# Altium PCB node24.PcbDoc (part 6 of 10)
Units mm, origin at the board's own origin, x right, y up, seen from the top; angles counter-clockwise.
Board outline 177.92 x 177.92 mm, 6 copper layers (L1 - Signal 1 (Top), L2 - Signal 2, L3 - Ground, L4 - Power, L5 - Signal 3, L6 - Signal 4 (Bot)), stack 1.511 mm thick; 721 components, 595 nets, 2782 pads, 2075 vias.
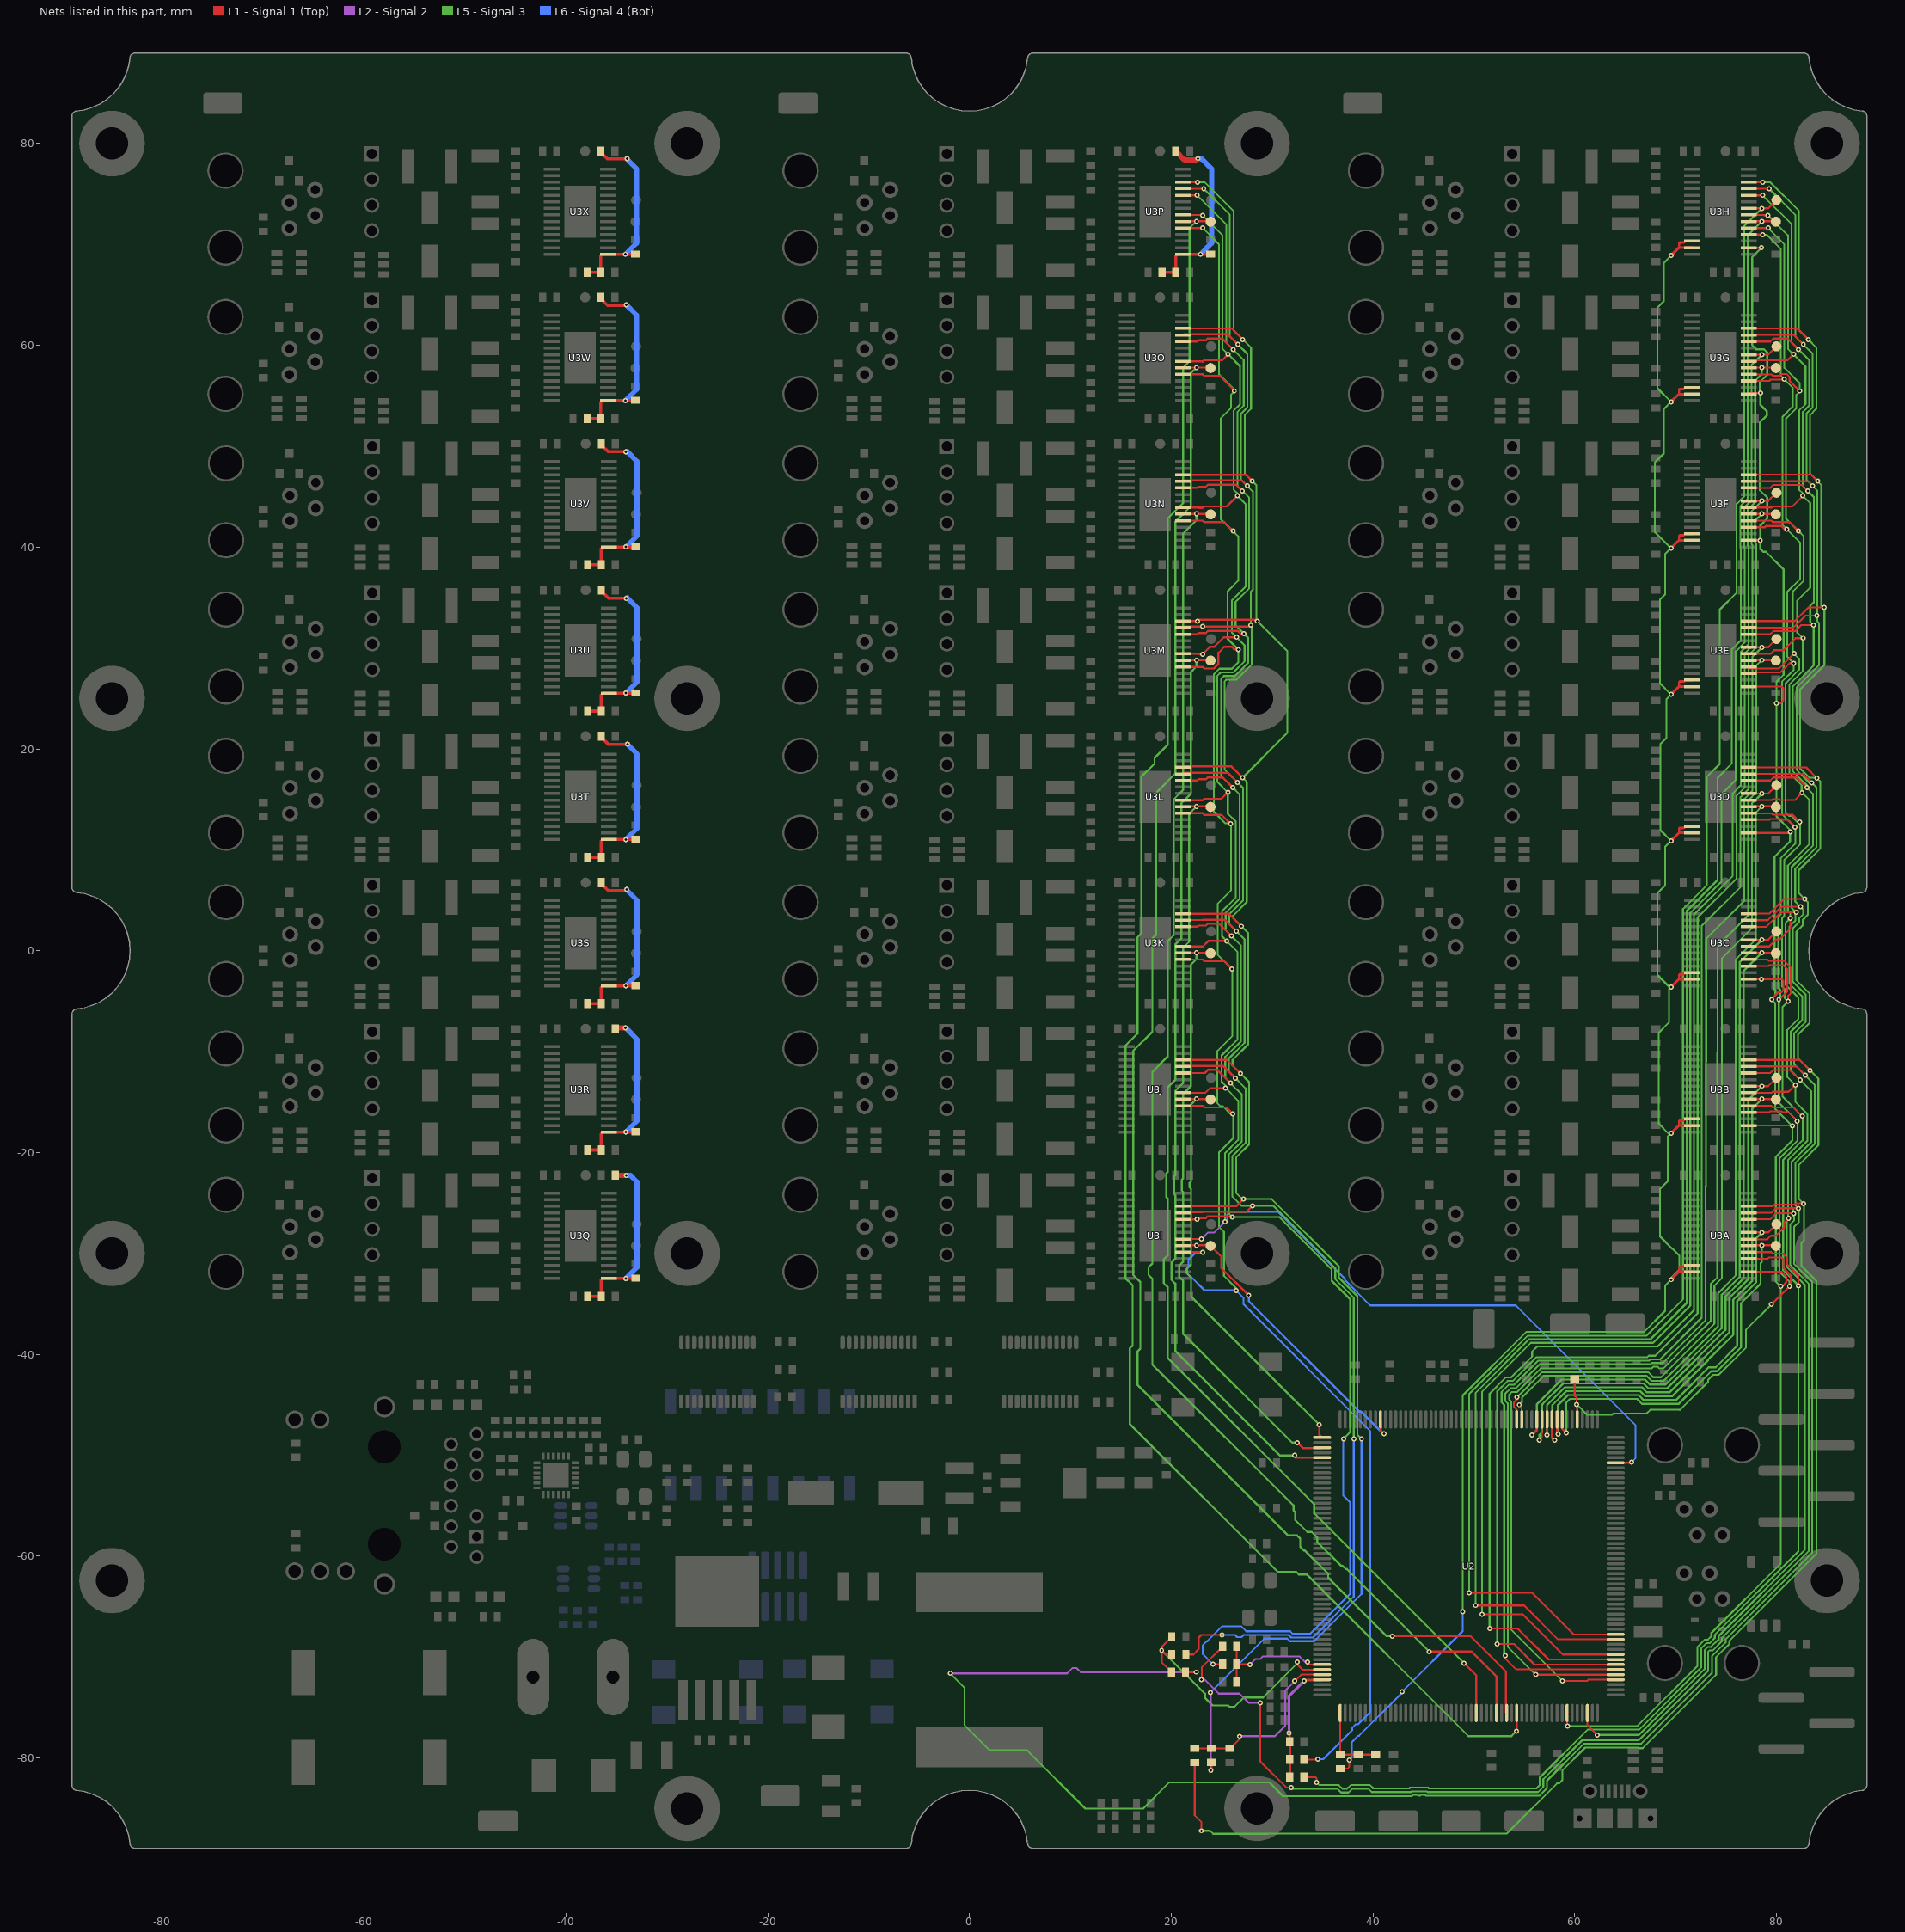
[diagram p10: the nets of this part, all layers, seen from the top]

## Via types
v1: diameter 0.508, hole 0.254, L1 - Signal 1 (Top) to L6 - Signal 4 (Bot), tented both sides, 1661 vias
v2: diameter 0.762, hole 0.381, L1 - Signal 1 (Top) to L6 - Signal 4 (Bot), 403 vias
v3: diameter 0.508, hole 0.254, L1 - Signal 1 (Top) to L6 - Signal 4 (Bot), 11 vias

## Nets (pads, with @x,y where several pads share a name; then routed paths per layer and width w, separated by ;. In a path a pad name is that pad's centre, name@x,y a point inside that pad or via, vN(x,y) a via of type N, cw(c..) or ccw(c..) an arc to the next point about the centre after c; other vN are vias at no path point) (continued)
DRV-3V3P: C9P.2 C38P.2 R21P.2 R22P.2 U3P.15 | length 19.9
  L1 - Signal 1 (Top) w0.305: C9P.2@19.1,67.25 C38P.2@20.45,67.25 20.45,68.85 20.625,69.025 U3P.15@21.2,69.025 v1(22.9,69.025) 23.825,69.025 23.85,69 R21P.2@23.9,69.05
  L1 - Signal 1 (Top) w0.508: R22P.2@20.45,79.25 20.45,79.236 21.32,78.366 22.491,78.366 v1(22.65,78.525)
  L6 - Signal 4 (Bot) w0.508: v1(22.65,78.525) 22.883,78.525 22.954,78.454 23,78.5 24,77.5 24,70.125 v1(22.9,69.025)
DRV-3V3Q: C9Q.2 C38Q.2 R21Q.2 R22Q.2 U3Q.15 | length 19.1
  L1 - Signal 1 (Top) w0.305: C9Q.2@-37.85,-34.25 C38Q.2@-36.5,-34.25 -36.5,-32.65 -36.325,-32.475 U3Q.15@-35.75,-32.475 v1(-34.05,-32.475) -33.125,-32.475 -33.1,-32.5 R21Q.2@-33.05,-32.45
  L1 - Signal 1 (Top) w0.508: R22Q.2@-35.1,-22.25 -34.973,-22.123 -34.846,-22.25 v1(-34.011,-22.25)
  L6 - Signal 4 (Bot) w0.508: v1(-34.05,-32.475) -32.95,-31.375 -32.95,-22.905 -33.604,-22.25 v1(-34.011,-22.25)
DRV-3V3R: C9R.2 C38R.2 R21R.2 R22R.2 U3R.15 | length 18.8
  L1 - Signal 1 (Top) w0.305: C9R.2@-37.85,-19.75 C38R.2@-36.5,-19.75 -36.5,-18.15 -36.325,-17.975 U3R.15@-35.75,-17.975 v1(-34.05,-17.975) -33.125,-17.975 -33.1,-18 R21R.2@-33.05,-17.95
  L1 - Signal 1 (Top) w0.508: R22R.2@-35.1,-7.75 -34.995,-7.645 v1(-34.087,-7.645)
  L6 - Signal 4 (Bot) w0.508: v1(-34.087,-7.645) -32.95,-8.782 -32.95,-16.875 v1(-34.05,-17.975)
DRV-3V3S: C9S.2 C38S.2 R21S.2 R22S.2 U3S.15 | length 19.9
  L1 - Signal 1 (Top) w0.305: C9S.2@-37.85,-5.25 C38S.2@-36.5,-5.25 -36.5,-3.65 -36.325,-3.475 U3S.15@-35.75,-3.475 v1(-34.05,-3.475) -33.125,-3.475 -33.1,-3.5 R21S.2@-33.05,-3.45 ; R22S.2@-36.5,6.75 -36.5,6.65 -35.817,5.967 -34.06,5.967 v1(-33.977,6.05)
  L6 - Signal 4 (Bot) w0.508: v1(-34.05,-3.475) -32.95,-2.375 -32.95,5 -33.977,6.027 v1(-33.977,6.05)
DRV-3V3T: C9T.2 C38T.2 R21T.2 R22T.2 U3T.15 | length 19.8
  L1 - Signal 1 (Top) w0.305: C9T.2@-37.85,9.25 C38T.2@-36.5,9.25 -36.5,10.85 -36.325,11.025 U3T.15@-35.75,11.025 v1(-34.05,11.025) -33.125,11.025 -33.1,11 R21T.2@-33.05,11.05 ; R22T.2@-36.5,21.25 -36.5,21.15 -35.817,20.467 v1(-33.908,20.467)
  L6 - Signal 4 (Bot) w0.508: v1(-34.05,11.025) -32.95,12.125 -32.95,19.5 -33.917,20.467 v1(-33.908,20.467)
DRV-3V3U: C9U.2 C38U.2 R21U.2 R22U.2 U3U.15 | length 19.8
  L1 - Signal 1 (Top) w0.305: C9U.2@-37.85,23.75 C38U.2@-36.5,23.75 -36.5,25.35 -36.325,25.525 U3U.15@-35.75,25.525 v1(-34.05,25.525) -33.125,25.525 -33.1,25.5 R21U.2@-33.05,25.55 ; R22U.2@-36.5,35.75 -36.5,35.65 -35.775,34.925 v1(-34.025,34.925)
  L6 - Signal 4 (Bot) w0.508: v1(-34.05,25.525) -32.95,26.625 -32.95,34 -33.95,35 v1(-34.025,34.925)
DRV-3V3V: C9V.2 C38V.2 R21V.2 R22V.2 U3V.15 | length 19.8
  L1 - Signal 1 (Top) w0.305: C9V.2@-37.85,38.25 C38V.2@-36.5,38.25 -36.5,39.85 -36.325,40.025 U3V.15@-35.75,40.025 v1(-34.05,40.025) -33.125,40.025 -33.1,40 R21V.2@-33.05,40.05 ; R22V.2@-36.5,50.25 -36.5,50.15 -35.8,49.45 v1(-34.05,49.45)
  L6 - Signal 4 (Bot) w0.508: v1(-34.05,40.025) -32.95,41.125 -32.95,48.5 -33.95,49.5 -34,49.45 v1(-34.05,49.45)
DRV-3V3W: C9W.2 C38W.2 R21W.2 R22W.2 U3W.15 | length 19.8
  L1 - Signal 1 (Top) w0.305: C9W.2@-37.9,52.75 C38W.2@-36.55,52.75 -36.55,54.35 -36.375,54.525 U3W.15@-35.8,54.525 v1(-34.1,54.525) -33.175,54.525 -33.15,54.5 R21W.2@-33.1,54.55 ; R22W.2@-36.55,64.75 -36.55,64.65 -35.867,63.967 -34.088,63.967 v1(-34.027,64.028)
  L6 - Signal 4 (Bot) w0.508: v1(-34.1,54.525) -33,55.625 -33,63 v1(-34.027,64.028) v1(-34.027,64.028)
DRV-3V3X: C9X.2 C38X.2 R21X.2 R22X.2 U3X.15 | length 19.9
  L1 - Signal 1 (Top) w0.305: C9X.2@-37.9,67.25 C38X.2@-36.55,67.25 -36.55,68.85 -36.375,69.025 U3X.15@-35.8,69.025 v1(-34.1,69.025) -33.175,69.025 -33.15,69 R21X.2@-33.1,69.05 ; R22X.2@-36.55,79.25 -36.55,79.15 -35.867,78.467 -33.983,78.467 v1(-33.95,78.5)
  L6 - Signal 4 (Bot) w0.508: v1(-34.1,69.025) -33,70.125 -33,77.5 -34,78.5 v1(-33.95,78.5)
DRV-BANKA-DECAY: R48.2 U3A.19 U3B.19 U3C.19 U3D.19 U3E.19 U3F.19 U3G.19 U3H.19 | length 246
  L1 - Signal 1 (Top) w0.18: R48.2@33.155,-81.915 R48.2@33.15,-81.91 34.285,-81.91 34.417,-82.042 v1(34.417,-82.423) ; U3A.19@77.25,-29.875 79.485,-29.875 79.631,-30.021 80.613,-30.021 81.031,-30.439 81.031,-31.056 82.175,-32.2 v1(82.175,-33.225) ; U3B.19@77.25,-15.375 79.485,-15.375 79.631,-15.521 81.671,-15.521 v1(82.55,-16.4) ; U3C.19@77.25,-0.875 79.1,-0.875 79.246,-1.021 80.781,-1.021 81.415,-1.654 81.415,-4.22 81.15,-4.485 v1(81.15,-5.025) ; U3D.19@77.25,13.625 79.485,13.625 79.631,13.479 81.584,13.479 v1(82.319,12.744) ; U3E.19@77.25,28.125 77.25,27.979 80.269,27.979 v1(81.741,29.451) ; U3F.19@77.25,42.625 79.485,42.625 79.631,42.479 81.296,42.479 v1(82.175,41.6) ; U3G.19@77.25,57.125 79.485,57.125 79.631,56.979 80.368,56.979 80.555,57.167 80.989,57.167 81.297,56.859 81.297,56.48 v1(82.302,55.475)
  L1 - Signal 1 (Top) w0.203: U3H.19@77.25,71.625 v1(79.175,71.625)
  L5 - Signal 3 w0.18: v1(34.417,-82.423) 34.688,-82.694 36.613,-82.694 36.994,-83.075 37.428,-83.075 37.809,-82.694 39.702,-82.694 40.033,-83.025 43.611,-83.025 43.68,-82.955 45.474,-82.955 45.543,-83.025 56.217,-83.025 56.525,-82.717 56.525,-81.964 61.289,-77.199 66.376,-77.199 72.519,-71.057 72.519,-69.166 73.05,-68.635 73.367,-68.635 73.885,-68.117 73.885,-67.8 82.169,-59.516 82.169,-33.174 80.657,-31.662 80.657,-20.738 82.588,-18.807 82.588,-16.438 v1(82.55,-16.4) 80.597,-14.447 80.597,-5.578 v1(81.15,-5.025) 81.125,-5.025 80.8,-4.7 80.8,-3.79 80.544,-3.534 80.544,3.211 80.772,3.439 80.772,8.995 82.357,10.579 82.357,12.706 v1(82.319,12.744) 82.087,12.744 81.457,13.375 81.225,13.375 80.904,13.696 80.904,26.514 82.25,27.86 82.25,28.943 v1(81.741,29.451) 81.635,29.558 81.635,35.615 82.696,36.676 82.696,41.079 v1(82.175,41.6) 82.146,41.6 80.946,42.8 80.946,52.749 81.974,53.776 81.974,55.094 82.302,55.422 v1(82.302,55.475) 82.302,56.255 80.782,57.775 80.782,70.018 v1(79.175,71.625)
DRV-BANKA-DIR-0: TP9A.1 U2.164 U3A.20 | length 38.2
  L1 - Signal 1 (Top) w0.203: U2.164@58.75,-46.45 58.75,-47.371 v1(59.164,-47.784) ; U3A.20@77.25,-29.225 77.275,-29.2 v1(78.55,-29.2) 79.9,-29.2 TP9A.1@79.95,-29.25
  L5 - Signal 3 w0.18: 77.394,-34.036 78.425,-33.004 78.425,-30.983 78.55,-30.858 v1(78.55,-29.2)
  L5 - Signal 3 w0.203: v1(59.164,-47.784) 59.164,-44.786 59.528,-44.422 60.42,-44.422 60.423,-44.425 66.185,-44.425 66.685,-44.925 70.293,-44.925 73.549,-41.669 74.131,-41.669 76.493,-39.307 76.493,-34.936 77.394,-34.036
DRV-BANKA-DIR-1: TP9B.1 U2.166 U3B.20 | length 54.3
  L1 - Signal 1 (Top) w0.203: U2.166@57.75,-46.45 57.786,-46.486 57.786,-48.286 58,-48.5 v1(58,-48.525) ; U3B.20@77.25,-14.725 77.275,-14.7 v1(78.55,-14.7) 79.9,-14.7 TP9B.1@79.95,-14.75
  L5 - Signal 3 w0.203: v1(58,-48.525) 57.786,-48.31 57.786,-45.047 59.178,-43.655 66.5,-43.655 67.003,-44.158 69.634,-44.158 73.214,-40.578 73.214,-40.528 73.528,-40.214 73.578,-40.214 75.726,-38.066 75.726,-34.58 77.605,-32.701 77.605,-15.645 v1(78.55,-14.7)
DRV-BANKA-DIR-2: TP9C.1 U2.168 U3C.20 | length 69.1
  L1 - Signal 1 (Top) w0.203: v1(56.5,-48.5) 56.714,-48.286 56.714,-46.486 U2.168@56.75,-46.45 ; U3C.20@77.25,-0.225 77.275,-0.2 v1(78.55,-0.2) 79.9,-0.2 TP9C.1@79.95,-0.25
  L5 - Signal 3 w0.203: v1(56.5,-48.5) 56.5,-47.992 56.744,-47.748 56.744,-45.009 56.868,-44.884 56.868,-44.875 58.855,-42.888 66.817,-42.888 67.32,-43.391 69.143,-43.391 74.959,-37.575 74.959,-34.263 76.759,-32.463 76.759,-1.991 v1(78.55,-0.2)
DRV-BANKA-DIR-3: TP9D.1 U2.172 U3D.20 | length 81.2
  L1 - Signal 1 (Top) w0.18: v1(54.5,-45) 54.75,-45.25 U2.172@54.75,-46.45
  L1 - Signal 1 (Top) w0.203: U3D.20@77.25,14.275 77.275,14.3 v1(78.55,14.3) 79.9,14.3 TP9D.1@79.95,14.25
  L5 - Signal 3 w0.18: v1(54.5,-45) 54.775,-44.725 54.775,-44.278 56.92,-42.132 67.13,-42.132 67.633,-42.635 68.82,-42.635 74.204,-37.252 74.204,-33.95 75.946,-32.207 75.946,-0.889 77.968,1.133 77.968,13.718 v1(78.55,14.3)
DRV-BANKA-DIR-4: TP9E.1 U2.108 U3E.20 | length 129.4
  L1 - Signal 1 (Top) w0.18: v1(58.801,-72.39) 61.214,-72.39 61.354,-72.25 U2.108@64.05,-72.25
  L1 - Signal 1 (Top) w0.203: U3E.20@77.25,28.775 77.275,28.8 v1(78.55,28.8) 79.9,28.8 TP9E.1@79.95,28.75
  L5 - Signal 3 w0.18: v1(58.801,-72.39) 53.725,-67.314 53.725,-44.717 53.5,-44.492 53.5,-44.008 53.783,-43.725 54.307,-43.725 56.621,-41.411 67.597,-41.411 67.783,-41.225 68.217,-41.225 68.403,-41.411 68.774,-41.411 73.482,-36.703 73.482,-33.039 74.145,-32.377 74.145,-10.04 74.156,-10.028 74.156,-1.241 74.159,-1.238 74.159,0.467 77.201,3.509 77.201,14.893 77.989,15.681 77.989,28.239 v1(78.55,28.8)
DRV-BANKA-DIR-5: TP9F.1 U2.110 U3F.20 | length 145.8
  L1 - Signal 1 (Top) w0.18: v1(53.106,-69.85) 53.106,-70.124 54.212,-71.23 64.03,-71.23 U2.110@64.05,-71.25
  L1 - Signal 1 (Top) w0.203: U3F.20@77.25,43.275 77.275,43.3 v1(78.55,43.3) 79.9,43.3 TP9F.1@79.95,43.25
  L5 - Signal 3 w0.18: v1(53.106,-69.85) 53.004,-69.748 53.004,-45.016 52.754,-44.766 52.754,-43.734 53.484,-43.004 54.008,-43.004 56.377,-40.635 67.353,-40.635 67.484,-40.504 68.462,-40.504 72.593,-36.373 72.593,-23.506 72.593,2.464 76.434,6.304 76.434,15.211 77.222,15.999 77.222,29.273 77.989,30.04 77.989,40.344 77.875,40.458 77.875,42.625 v1(78.55,43.3)
DRV-BANKA-DIR-6: TP9G.1 U2.112 U3G.20 | length 160
  L1 - Signal 1 (Top) w0.18: v1(51.562,-67.183) 54.356,-67.183 57.423,-70.25 U2.112@64.05,-70.25
  L1 - Signal 1 (Top) w0.203: U3G.20@77.25,57.775 77.275,57.8 v1(78.55,57.8) 79.9,57.8 TP9G.1@79.95,57.75
  L5 - Signal 3 w0.18: v1(51.562,-67.183) 51.562,-43.906 53.185,-42.283 53.709,-42.283 55.775,-40.217 55.775,-39.729 56.279,-39.225 60.967,-39.225 68.217,-39.225 71.821,-35.621 71.821,-35.23 71.821,3.579 75.667,7.424 75.667,15.596 76.455,16.384 76.455,29.591 77.222,30.358 77.222,40.091 77.154,40.159 77.154,43.722 77.891,44.459 77.891,56.499 78.55,57.158 v1(78.55,57.8)
DRV-BANKA-DIR-7: TP9H.1 U2.116 U3H.20 | length 174
  L1 - Signal 1 (Top) w0.18: v1(50.165,-64.897) 54.991,-64.897 58.344,-68.25 U2.116@64.05,-68.25
  L1 - Signal 1 (Top) w0.203: U3H.20@77.25,72.275 77.275,72.3 v1(78.55,72.3) 79.9,72.3 TP9H.1@79.95,72.25
  L5 - Signal 3 w0.18: v1(50.165,-64.897) 50.165,-43.833 55.494,-38.504 61.266,-38.504 67.521,-38.504 71.1,-34.925 71.1,3.942 74.16,7.002 74.16,17.137 75.585,18.562 75.585,29.87 76.454,30.739 76.454,39.839 76.433,39.86 76.433,44.085 77.17,44.822 77.17,70.92 v1(78.55,72.3)
DRV-BANKA-MODE0: R35.2 U3A.24 U3B.24 U3C.24 U3D.24 U3E.24 U3F.24 U3G.24 U3H.24 | length 270.4
  L1 - Signal 1 (Top) w0.18: v1@23.025,-72.263 23.025,-71.037 R35.2@25.1,-68.962 ; v1(28.829,-74.549) 28.829,-80.35 31.41,-82.931 v1(31.877,-82.931) ; U3A.24@77.25,-26.625 79.37,-26.625 79.985,-26.011 81.664,-26.011 v1(81.702,-26.048) ; U3B.24@77.25,-12.125 79.385,-12.125 79.681,-11.829 81.358,-11.829 v1(82.352,-12.823) ; U3C.24@77.25,2.375 79,2.375 80.425,3.8 v1(81.95,3.8) ; U3D.24@77.25,16.875 79.385,16.875 79.681,17.171 82,17.171 v1(83.023,16.148) ; U3E.24@77.25,31.375 79.385,31.375 79.681,31.671 80.319,31.671 80.325,31.664 81.834,31.664 82.435,32.265 v1(83.685,32.265) ; U3F.24@77.25,45.875 79.385,45.875 79.681,46.171 82.508,46.171 v1(83.102,45.577) ; U3G.24@77.25,60.375 79.385,60.375 79.681,60.671 81.108,60.671 v1(82.177,59.602)
  L1 - Signal 1 (Top) w0.203: U3H.24@77.25,74.875 v1(78.625,74.875)
  L2 - Signal 2 w0.18: v1(22.987,-72.263) 23.348,-72.263 24.719,-73.635 26.772,-73.635 27.686,-74.549 v1(28.829,-74.549)
  L5 - Signal 3 w0.18: v1(31.877,-82.931) 31.75,-83.058 36.467,-83.058 36.844,-83.435 37.578,-83.435 37.955,-83.058 39.556,-83.058 39.883,-83.385 43.76,-83.385 43.829,-83.316 45.325,-83.316 45.394,-83.385 56.367,-83.385 56.885,-82.867 56.885,-82.113 60.742,-78.256 66.34,-78.256 73.24,-71.356 73.24,-69.465 73.348,-69.356 73.665,-69.356 74.606,-68.415 74.606,-68.098 83.189,-59.516 83.189,-32.987 81.379,-31.177 81.379,-27.113 81.739,-26.752 81.739,-26.318 81.702,-26.28 v1(81.702,-26.048) 81.664,-26.011 81.664,-25.547 81.504,-25.387 81.504,-20.912 83.435,-18.98 83.435,-13.907 v1(82.352,-12.823) 81.404,-11.876 81.404,-8.031 82.546,-6.89 82.546,-4.516 81.265,-3.235 81.265,2.373 81.875,2.983 81.875,3.725 v1(81.95,3.8) 81.494,4.256 81.494,8.284 83.611,10.401 83.611,15.56 v1(83.023,16.148) 83.023,16.379 82.165,17.237 82.165,17.24 81.629,17.776 81.629,26.213 83.685,28.27 v1(83.685,32.265) 83.35,32.6 83.35,34.175 83.704,34.529 83.704,44.974 v1(83.102,45.577) 82.611,46.067 82.611,53.393 83.236,54.018 83.236,58.542 v1(82.177,59.602) 81.503,60.275 81.503,71.997 v1(78.625,74.875)
DRV-BANKA-MODE1: R39.2 U3A.25 U3B.25 U3C.25 U3D.25 U3E.25 U3F.25 U3G.25 U3H.25 | length 322.6
  L1 - Signal 1 (Top) w0.18: R39.2@21.425,-71.5 21.426,-71.501 v1(22.479,-71.501) ; U3A.25@77.25,-25.975 79.51,-25.975 79.961,-25.524 82.15,-25.524 v1(82.188,-25.562) ; U3B.25@77.25,-11.475 77.256,-11.469 81.97,-11.469 v1(82.838,-12.337) ; U3C.25@77.25,3.025 79.14,3.025 80.465,4.35 v1(82.379,4.35) ; U3D.25@77.25,17.525 77.256,17.531 82.613,17.531 v1(83.51,16.635) ; U3E.25@77.25,32.025 77.256,32.031 80.469,32.031 80.475,32.025 81.685,32.025 82.86,33.2 v1(84.025,33.2) ; U3F.25@77.25,46.525 77.256,46.531 83.12,46.531 v1(83.588,46.063) ; U3G.25@77.25,61.025 77.256,61.031 81.72,61.031 v1(82.663,60.088)
  L1 - Signal 1 (Top) w0.203: U3H.25@77.25,75.525 v1(79.275,75.525)
  L2 - Signal 2 w0.18: v1(-1.905,-71.628) 9.672,-71.628 10.197,-71.103 10.631,-71.103 11.029,-71.501 v1(22.479,-71.501)
  L5 - Signal 3 w0.18: v1(-1.905,-71.628) -0.5,-73.033 -0.5,-76.75 2,-79.25 5.717,-79.25 11.492,-85.025 17.21,-85.025 19.812,-82.423 29.718,-82.423 31.091,-83.796 43.859,-83.796 43.979,-83.676 44.413,-83.676 44.483,-83.746 44.671,-83.746 44.741,-83.676 45.175,-83.676 45.245,-83.746 56.516,-83.746 57.246,-83.016 57.246,-82.262 60.891,-78.617 66.552,-78.617 66.56,-78.625 73.601,-71.584 73.601,-69.931 74.967,-68.565 74.967,-68.248 83.55,-59.665 83.55,-32.838 81.739,-31.027 81.739,-27.376 82.226,-26.889 82.226,-25.831 82.188,-25.793 v1(82.188,-25.562) 81.864,-25.238 81.864,-21.061 83.796,-19.13 83.796,-13.294 v1(82.838,-12.337) 81.764,-11.263 81.764,-8.181 82.906,-7.039 82.906,-4.366 81.626,-3.086 81.626,2.224 82.235,2.833 82.235,3.195 82.664,3.624 82.664,4.065 v1(82.379,4.35) 81.854,4.875 81.854,8.134 83.971,10.251 83.971,16.173 v1(83.51,16.635) 83.28,16.635 81.989,17.926 81.989,26.064 84.21,28.284 84.21,32.482 84.025,32.667 v1(84.025,33.2) 84.064,33.239 84.064,45.587 v1(83.588,46.063) 82.971,46.68 82.971,53.243 83.596,53.868 83.596,59.155 v1(82.663,60.088) 81.864,60.887 81.864,72.936 v1(79.275,75.525) ; v1(22.479,-71.501) v1@22.586,-71.501
DRV-BANKA-MODE2: R43.2 U3A.26 U3B.26 U3C.26 U3D.26 U3E.26 U3F.26 U3G.26 U3H.26 | length 276.8
  L1 - Signal 1 (Top) w0.18: R43.2@22.34,-80.46 22.325,-80.475 22.325,-85.698 23,-86.373 v1(23,-87.225) ; U3A.26@77.25,-25.325 79.65,-25.325 79.812,-25.163 81.845,-25.163 81.971,-25.037 82.637,-25.037 v1(82.675,-25.075) ; U3B.26@77.25,-10.825 82.3,-10.825 v1(83.325,-11.85) ; U3C.26@77.25,3.675 79.28,3.675 80.73,5.125 v1(82.8,5.125) ; U3D.26@77.25,18.175 82.943,18.175 v1(83.996,17.121) ; U3E.26@77.25,32.675 81.825,32.675 83.175,34.025 v1(84.75,34.025) ; U3F.26@77.25,47.175 83.45,47.175 v1(84.075,46.55) ; U3G.26@77.25,61.675 82.05,61.675 v1(83.15,60.575)
  L1 - Signal 1 (Top) w0.203: U3H.26@77.25,76.175 v1(78.65,76.175)
  L5 - Signal 3 w0.18: v1(23,-87.225) 23.852,-87.225 24.148,-87.521 29.544,-87.521 29.562,-87.503 53.269,-87.503 58.247,-82.525 58.467,-82.525 58.775,-82.217 58.775,-81.244 61.041,-78.977 66.324,-78.977 66.388,-79.042 66.733,-79.042 74.017,-71.758 74.017,-70.024 75.328,-68.714 75.328,-68.397 83.975,-59.75 83.975,-32.753 82.479,-31.257 82.479,-28.956 82.713,-28.723 82.713,-25.113 v1(82.675,-25.075) 82.225,-24.625 82.225,-21.21 84.157,-19.279 84.157,-12.682 v1(83.325,-11.85) 82.125,-10.65 82.125,-8.33 83.267,-7.188 83.267,-4.217 81.986,-2.936 81.986,1.902 82.596,2.511 82.596,3.046 83.1,3.55 83.1,4.825 v1(82.8,5.125) 82.215,5.71 82.215,7.985 84.332,10.102 84.332,16.785 v1(83.996,17.121) 83.958,17.159 83.266,17.159 82.35,18.075 82.35,25.915 84.75,28.315 v1(84.75,34.025) 84.525,34.025 84.425,34.125 84.425,46.2 v1(84.075,46.55) 83.332,47.293 83.332,53.094 83.957,53.719 83.957,59.768 v1(83.15,60.575) 82.225,61.5 82.225,73.317 79.367,76.175 v1(78.65,76.175)
DRV-BANKA-nENBL: U2.102 U3A.21 U3B.21 U3C.21 U3D.21 U3E.21 U3F.21 U3G.21 U3H.21 | length 214.1
  L1 - Signal 1 (Top) w0.18: U2.102@61.25,-75.55 61.25,-76.744 v1(62.23,-77.724) ; U3A.21@77.25,-28.575 77.275,-28.6 79.087,-28.6 79.437,-28.25 79.94,-28.25 80.771,-27.419 80.771,-26.979 v1(81.215,-26.535) ; U3B.21@77.25,-14.075 79.535,-14.075 79.631,-13.98 81.195,-13.98 v1(81.865,-13.31) ; U3C.21@77.25,0.425 79.275,0.425 79.979,1.129 80.319,1.129 81.35,2.16 v1(81.35,3.2) ; U3D.21@77.25,14.925 79.535,14.925 79.631,15.02 80.269,15.02 80.365,14.925 81.8,14.925 v1(82.536,15.661) ; U3F.21@77.25,43.925 79.535,43.925 79.631,44.02 81.545,44.02 v1(82.615,45.09) ; U3G.21@77.25,58.425 77.25,58.52 81.095,58.52 v1(81.69,59.115)
  L1 - Signal 1 (Top) w0.203: U3E.21@77.25,29.425 79.425,29.425 79.775,29.775 80.692,29.775 81.892,30.975 v1(82.625,30.975) ; U3H.21@77.25,72.925 79.112,72.925 v1@79.137,72.9 ; 78.75,72.9 v1@79.137,72.9 ; v1(79.15,72.887) v1@79.137,72.9
  L5 - Signal 3 w0.18: v1(62.23,-77.724) 66.362,-77.724 72.88,-71.206 72.88,-69.315 73.199,-68.996 73.516,-68.996 74.246,-68.266 74.246,-67.949 82.829,-59.366 82.829,-33.137 81.018,-31.326 81.018,-26.732 v1(81.215,-26.535) 81.143,-26.463 81.143,-20.762 83.075,-18.831 83.075,-16.183 81.865,-14.973 v1(81.865,-13.31) 81.043,-12.488 81.043,-7.882 82.185,-6.74 82.185,-4.665 80.904,-3.385 80.904,2.754 81.318,3.168 81.318,3.39 v1@81.35,3.358 ; v1(79.15,72.887) 81.143,70.894 81.143,59.662 v1(81.69,59.115) 82.875,57.93 82.875,54.167 82.25,53.542 82.25,45.686 82.615,45.321 v1(82.615,45.09) 83.343,44.362 83.343,35.993 82.068,34.718 82.068,31.532 v1(82.625,30.975) 82.625,27.725 81.264,26.364 81.264,17.625 82.498,16.391 82.498,15.699 v1(82.536,15.661) 83.25,14.947 83.25,10.55 81.133,8.433 81.133,3.985 81.35,3.768 v1@81.35,3.358 ; v1(81.35,3.2) v1@81.35,3.358